# KiCad board control.kicad_pcb (continued)
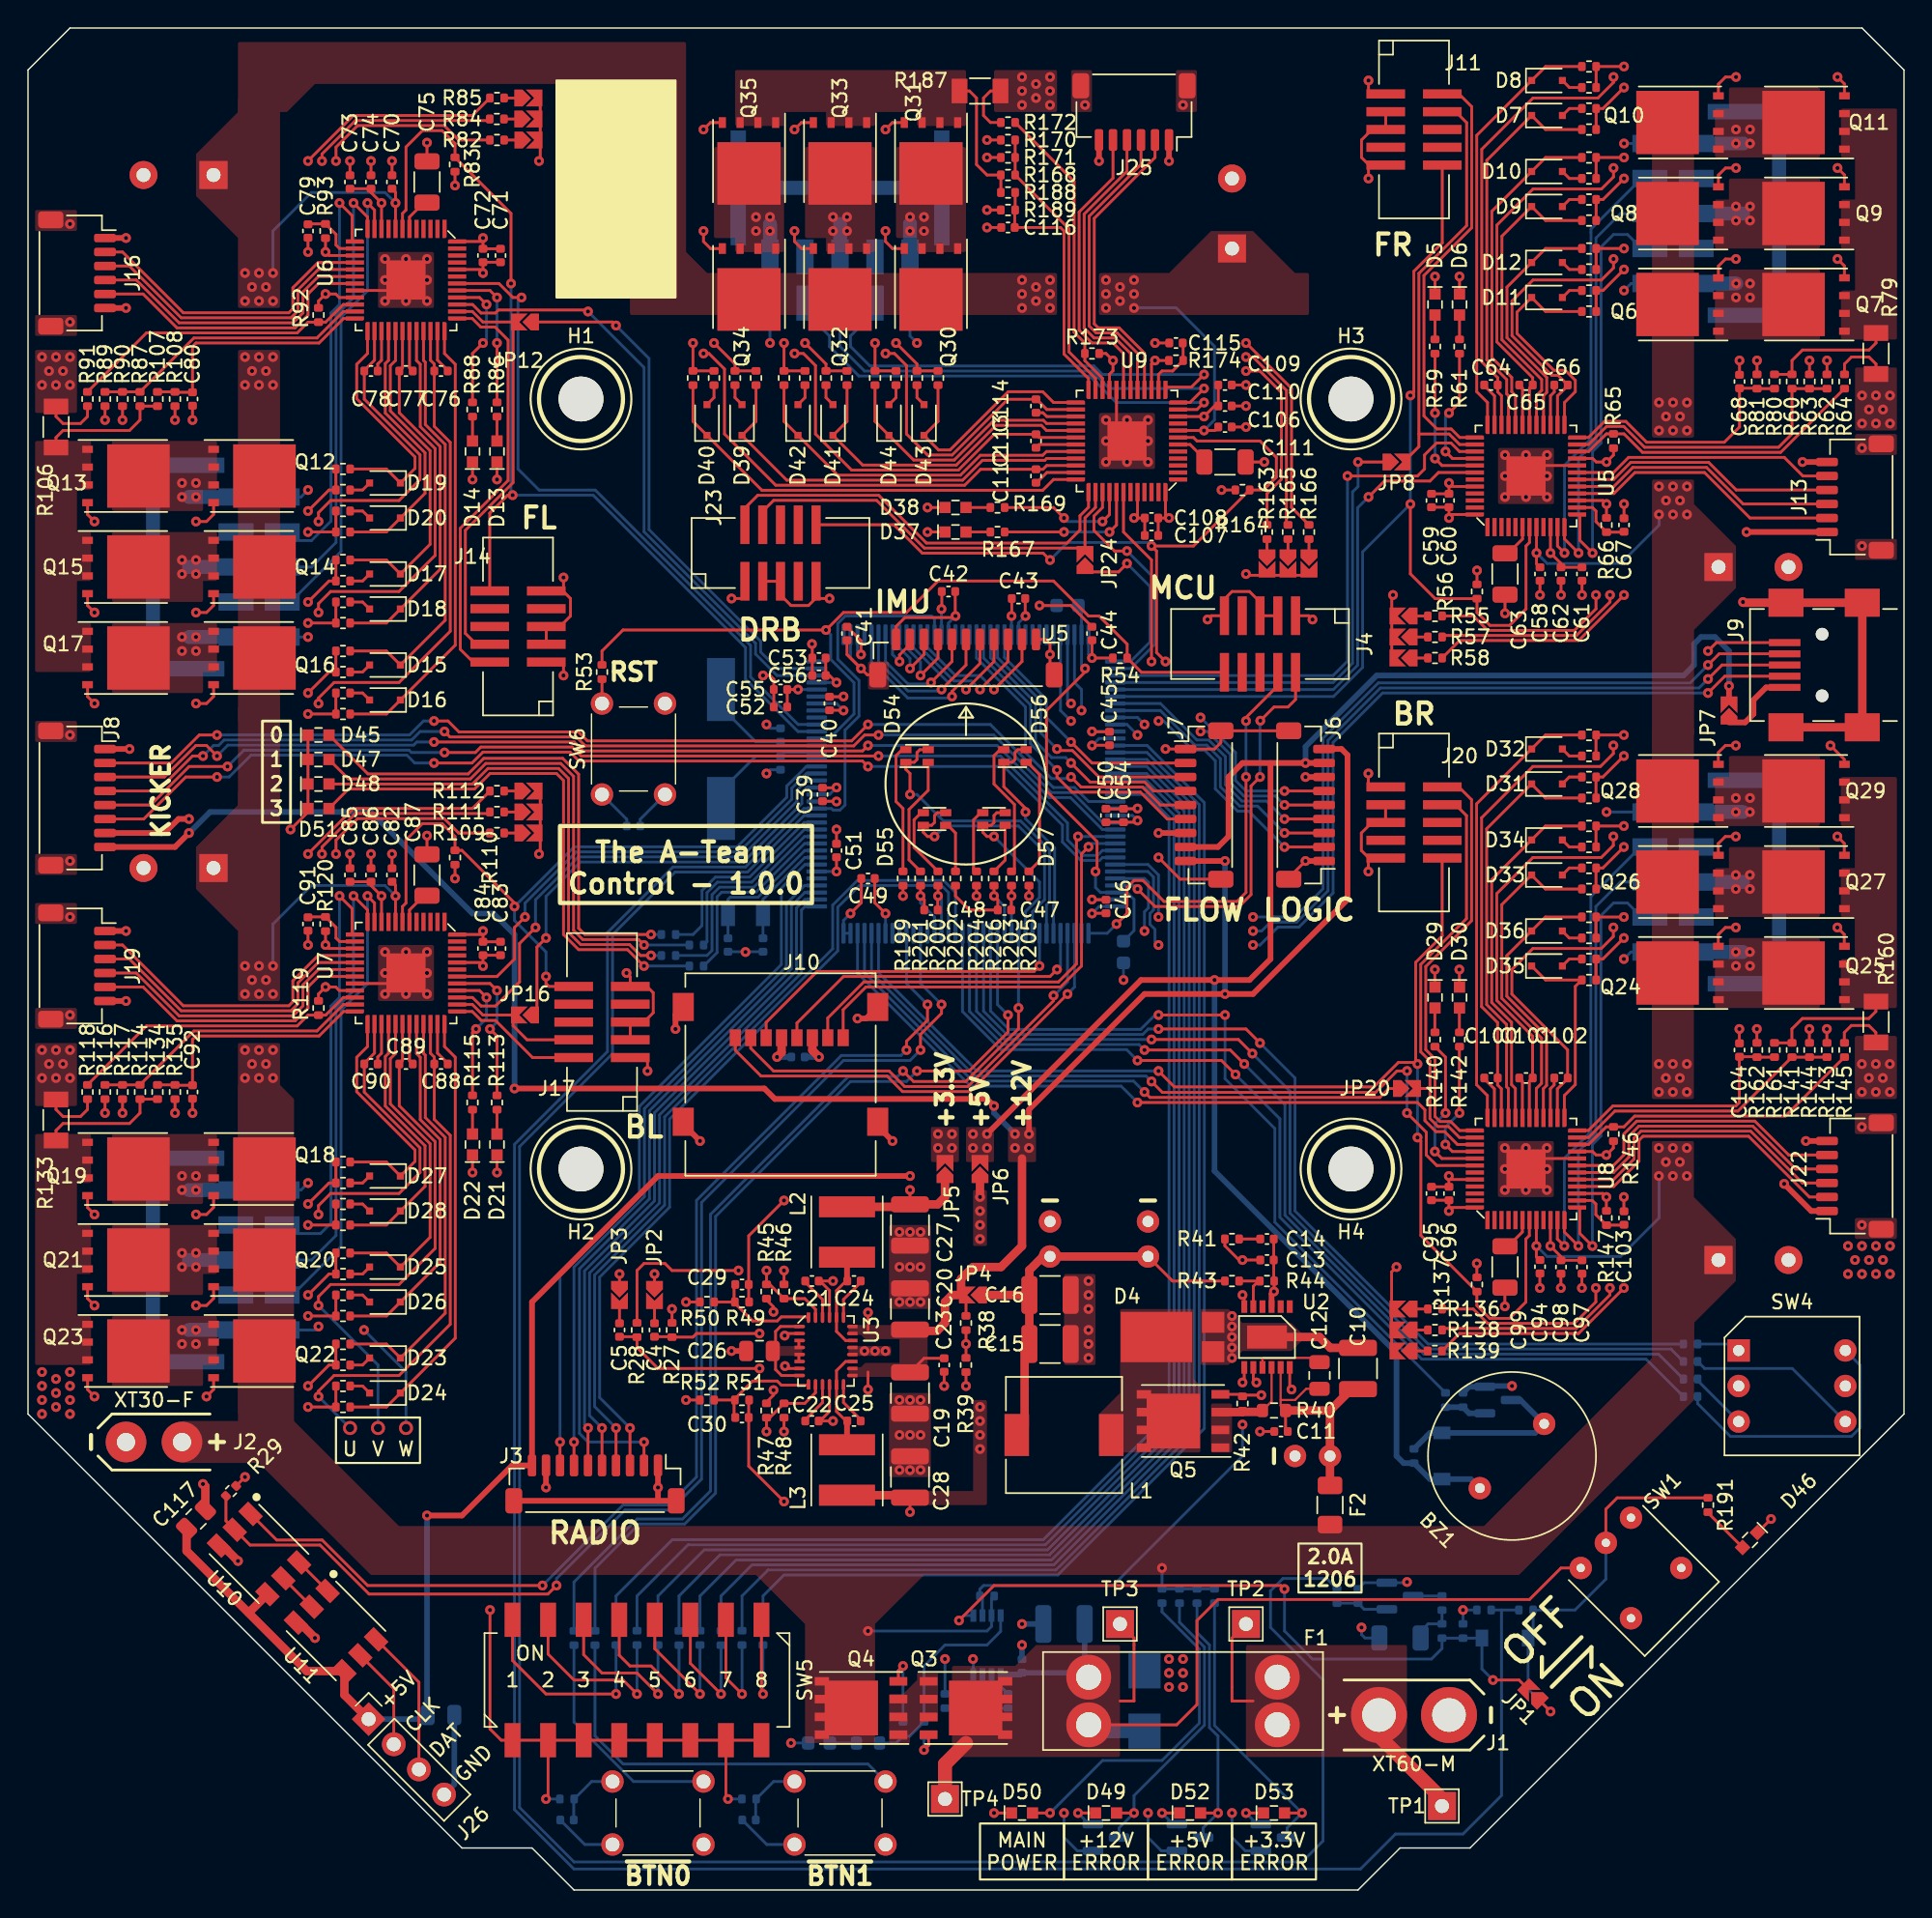
[diagram p0: board, top side]
## Placement (name value [footprint] x y rotation side) (continued)
R66  22  [R_0402_1005Metric]  112.75 97.5 270 top
R67  10  [R_0402_1005Metric]  111.5 127.25 0 top
R68  62  [R_0402_1005Metric]  111.5 125.75 0 top
R69  62  [R_0402_1005Metric]  111.5 130.25 0 top
R70  10  [R_0402_1005Metric]  111.5 128.75 0 top
R71  10  [R_0402_1005Metric]  111.5 120.75 0 top
R72  62  [R_0402_1005Metric]  111.5 119.25 0 top
R73  62  [R_0402_1005Metric]  111.5 123.75 0 top
R74  10  [R_0402_1005Metric]  111.5 122.25 0 top
R75  10  [R_0402_1005Metric]  111.5 114.25 0 top
R76  62  [R_0402_1005Metric]  111.5 112.75 0 top
R77  62  [R_0402_1005Metric]  111.5 117.25 0 top
R78  10  [R_0402_1005Metric]  111.5 115.75 0 top
R79  D1WEL1206MR062F-T5  [R_1206_3216Metric_CS]  132 109.75 270 top
R80  2.37k  [R_0402_1005Metric]  124.75 107.75 270 top
R81  143k  [R_0402_1005Metric]  123.5 107.75 270 top
R82  10k  [R_0402_1005Metric]  33.5 125 180 top
R83  10k  [R_0402_1005Metric]  30.5 123.25 90 top
R84  10k  [R_0402_1005Metric]  33.49 126.5 180 top
R85  10k  [R_0402_1005Metric]  33.5 128 180 top
R86  10k  [R_0402_1005Metric]  33.5 105.75 270 top
R87  2.37k  [R_0402_1005Metric]  8 106.5 90 top
R88  10k  [R_0402_1005Metric]  31.75 105.75 270 top
R89  649k  [R_0402_1005Metric]  5.5 106.5 90 top
R90  53.6k  [R_0402_1005Metric]  6.75 106.5 270 top
R91  10k  [R_0402_1005Metric]  4.25 106.5 90 top
R92  26.7k  [R_0402_1005Metric]  20.75 112.5 90 top
R93  22  [R_0402_1005Metric]  21.25 118.5 90 top
R94  10  [R_0402_1005Metric]  22.5 87 180 top
R95  62  [R_0402_1005Metric]  22.5 88.5 180 top
R96  62  [R_0402_1005Metric]  22.5 84 180 top
R97  10  [R_0402_1005Metric]  22.5 85.5 180 top
R98  10  [R_0402_1005Metric]  22.5 93.5 180 top
R99  62  [R_0402_1005Metric]  22.5 95 180 top
R100  62  [R_0402_1005Metric]  22.5 90.5 180 top
R101  10  [R_0402_1005Metric]  22.5 92 180 top
R102  10  [R_0402_1005Metric]  22.5 100 180 top
R103  62  [R_0402_1005Metric]  22.5 101.5 180 top
R104  62  [R_0402_1005Metric]  22.5 97 180 top
R105  10  [R_0402_1005Metric]  22.5 98.5 180 top
R106  D1WEL1206MR062F-T5  [R_1206_3216Metric_CS]  2 104.5 90 top
R107  2.37k  [R_0402_1005Metric]  9.25 106.5 90 top
R108  143k  [R_0402_1005Metric]  10.5 106.5 90 top
R109  10k  [R_0402_1005Metric]  33.5 75.5 180 top
R110  10k  [R_0402_1005Metric]  30.5 73.75 90 top
R111  10k  [R_0402_1005Metric]  33.5 77 180 top
R112  10k  [R_0402_1005Metric]  33.5 78.5 180 top
R113  10k  [R_0402_1005Metric]  33.5 56.25 270 top
R114  2.37k  [R_0402_1005Metric]  8 57 90 top
R115  10k  [R_0402_1005Metric]  31.75 56.25 270 top
R116  649k  [R_0402_1005Metric]  5.5 57 90 top
R117  53.6k  [R_0402_1005Metric]  6.75 57 270 top
R118  10k  [R_0402_1005Metric]  4.25 57 90 top
R119  26.7k  [R_0402_1005Metric]  20.75 63 90 top
R120  22  [R_0402_1005Metric]  21.25 69 90 top
R121  10  [R_0402_1005Metric]  22.5 37.5 180 top
R122  62  [R_0402_1005Metric]  22.5 39 180 top
R123  62  [R_0402_1005Metric]  22.5 34.5 180 top
R124  10  [R_0402_1005Metric]  22.5 36 180 top
R125  10  [R_0402_1005Metric]  22.5 44 180 top
R126  62  [R_0402_1005Metric]  22.5 45.5 180 top
R127  62  [R_0402_1005Metric]  22.5 41 180 top
R128  10  [R_0402_1005Metric]  22.5 42.5 180 top
R129  10  [R_0402_1005Metric]  22.5 50.5 180 top
R130  62  [R_0402_1005Metric]  22.5 52 180 top
R131  62  [R_0402_1005Metric]  22.5 47.5 180 top
R132  10  [R_0402_1005Metric]  22.5 49 180 top
R133  D1WEL1206MR062F-T5  [R_1206_3216Metric_CS]  2 55 90 top
R134  2.37k  [R_0402_1005Metric]  9.25 57 90 top
R135  143k  [R_0402_1005Metric]  10.5 57 90 top
R136  10k  [R_0402_1005Metric]  100.5 41.5 0 top
R137  10k  [R_0402_1005Metric]  103.5 43.25 270 top
R138  10k  [R_0402_1005Metric]  100.5 40 0 top
R139  10k  [R_0402_1005Metric]  100.49 38.5 0 top
R140  10k  [R_0402_1005Metric]  100.5 60.75 90 top
R141  2.37k  [R_0402_1005Metric]  126 60 270 top
R142  10k  [R_0402_1005Metric]  102.25 60.75 90 top
R143  649k  [R_0402_1005Metric]  128.5 60 270 top
R144  53.6k  [R_0402_1005Metric]  127.25 60 90 top
R145  10k  [R_0402_1005Metric]  129.75 60 270 top
R146  26.7k  [R_0402_1005Metric]  113.25 54 270 top
R147  22  [R_0402_1005Metric]  112.75 48 270 top
R148  10  [R_0402_1005Metric]  111.5 79.5 0 top
R149  62  [R_0402_1005Metric]  111.5 78 0 top
R150  62  [R_0402_1005Metric]  111.5 82.5 0 top
R151  10  [R_0402_1005Metric]  111.5 81 0 top
R152  10  [R_0402_1005Metric]  111.5 73 0 top
R153  62  [R_0402_1005Metric]  111.5 71.5 0 top
R154  62  [R_0402_1005Metric]  111.5 76 0 top
R155  10  [R_0402_1005Metric]  111.5 74.5 0 top
R156  10  [R_0402_1005Metric]  111.5 66.5 0 top
R157  62  [R_0402_1005Metric]  111.5 65 0 top
R158  62  [R_0402_1005Metric]  111.5 69.5 0 top
R159  10  [R_0402_1005Metric]  111.5 68 0 top
R160  D1WEL1206MR062F-T5  [R_1206_3216Metric_CS]  132 62 270 top
R161  2.37k  [R_0402_1005Metric]  124.75 60 270 top
R162  143k  [R_0402_1005Metric]  123.5 60 270 top
R163  10k  [R_0402_1005Metric]  88.5 97 90 top
R164  10k  [R_0402_1005Metric]  86.75 100 0 top
R165  10k  [R_0402_1005Metric]  90 97 90 top
R166  10k  [R_0402_1005Metric]  91.5 97 90 top
R167  10k  [R_0402_1005Metric]  69.25 97 180 top
R168  2.37k  [R_0402_1005Metric]  70 122.5 0 top
R169  10k  [R_0402_1005Metric]  69.25 98.75 180 top
R170  649k  [R_0402_1005Metric]  70 125 0 top
R171  53.6k  [R_0402_1005Metric]  70 123.75 180 top
R172  10k  [R_0402_1005Metric]  70 126.25 0 top
R173  26.7k  [R_0402_1005Metric]  76 109.75 0 top
R174  22  [R_0402_1005Metric]  82 109.25 0 top
R175  10  [R_0402_1005Metric]  50.5 108 90 top
R176  62  [R_0402_1005Metric]  52 108 90 top
R177  62  [R_0402_1005Metric]  47.5 108 90 top
R178  10  [R_0402_1005Metric]  49 108 90 top
R179  10  [R_0402_1005Metric]  57 108 90 top
R180  62  [R_0402_1005Metric]  58.5 108 90 top
R181  62  [R_0402_1005Metric]  54 108 90 top
R182  10  [R_0402_1005Metric]  55.5 108 90 top
R183  10  [R_0402_1005Metric]  63.5 108 90 top
R184  62  [R_0402_1005Metric]  65 108 90 top
R185  62  [R_0402_1005Metric]  60.5 108 90 top
R186  10  [R_0402_1005Metric]  62 108 90 top
R187  D1WEL1206MR062F-T5  [R_1206_3216Metric_CS]  68 128.5 0 top
R188  2.37k  [R_0402_1005Metric]  70 121.25 0 top
R189  143k  [R_0402_1005Metric]  70 120 0 top
R190  10k  [R_0402_1005Metric]  45.75 68.25 180 bottom
R191  22k  [R_0402_1005Metric]  120 27.5 270 top
R192  10k  [R_0402_1005Metric]  82.25 21 270 bottom
R193  10k  [R_0402_1005Metric]  47.75 67.5 180 bottom
R194  10k  [R_0402_1005Metric]  45.75 66.75 180 bottom
R195  22k  [R_0402_1005Metric]  81 21 270 bottom
R196  10k  [R_0402_1005Metric]  47.75 66 180 bottom
R197  10k  [R_0402_1005Metric]  83.5 21 270 bottom
R198  10k  [R_0402_1005Metric]  84.75 21 270 bottom
R199  10k  [R_0402_1005Metric]  62.5 72.25 90 top
R200  10k  [R_0402_1005Metric]  65 72.25 90 top
R201  10k  [R_0402_1005Metric]  63.75 72.25 270 top
R202  10k  [R_0402_1005Metric]  66.25 72.25 270 top
R203  10k  [R_0402_1005Metric]  70.25 72.25 90 top
R204  10k  [R_0402_1005Metric]  67.75 72.25 90 top
R205  10k  [R_0402_1005Metric]  71.5 72.25 270 top
R206  10k  [R_0402_1005Metric]  69 72.25 270 top
SW1  -  [CF-LD-1DC4-AR2W]  114.5 23 225 top
SW2  -  [TS02-66-73-BK-160-SCR-D]  45 5.5 0 top
SW3  -  [TS02-66-73-BK-160-SCR-D]  58 5.5 0 top
SW4  -  [221ADC16]  126 36 0 top
SW5  -  [219-8MST]  43.5 15 90 top
SW6  -  [TS02-66-73-BK-160-SCR-D]  43.25 81.5 90 top
TP1  Inject_{+}  [TestPoint_THTPad_2.0x2.0mm_Drill1.0mm]  101 6 0 top
TP2  Sense_{+}  [TestPoint_THTPad_2.0x2.0mm_Drill1.0mm]  87 19 0 top
TP3  Sense_{-}  [TestPoint_THTPad_2.0x2.0mm_Drill1.0mm]  78 19 0 top
TP4  Inject_{-}  [TestPoint_THTPad_2.0x2.0mm_Drill1.0mm]  65.5 6.5 0 top
U1  LTC4367  [MS8]  68.5 17.5 180 bottom
U2  LTC3864  [MSE]  88.5 39.5 180 top
U3  LTC3636  [UFD_AA_NoExtraPad]  57 38.5 90 top
U4  STM32H723ZGT6  [LQFP-144_20x20mm_P0.5mm]  67 79 0 bottom
U5  STSPIN32F0B  [QFN-48-1EP_7x7mm_P0.5mm_EP2.8x2.8mm_Extended]  107 101 90 top
U6  STSPIN32F0B  [QFN-48-1EP_7x7mm_P0.5mm_EP2.8x2.8mm_Extended]  27 115 270 top
U7  STSPIN32F0B  [QFN-48-1EP_7x7mm_P0.5mm_EP2.8x2.8mm_Extended]  27 65.5 270 top
U8  STSPIN32F0B  [QFN-48-1EP_7x7mm_P0.5mm_EP2.8x2.8mm_Extended]  107 51.5 90 top
U9  STSPIN32F0B  [QFN-48-1EP_7x7mm_P0.5mm_EP2.8x2.8mm_Extended]  78.5 103.5 180 top
U10  -  [SK9822]  16.5 24 135 top
U11  -  [SK9822]  22 18.5 135 top
Y1  QT49S-8.000MEEJ-T  [Crystal_SMD_HC49-SD]  49.5 81.5 270 bottom
Y2  QT3CD-32.768KEZC-T  [Crystal_SMD_3215-2Pin_3.2x1.5mm]  51.25 69.75 0 bottom

## Library data of the parts
D2 = -: V_{BR}: V_{BR}=30.4V
D5 D13 D21 D29 D37 = -: Value2: FW_READY
D6 D14 D22 D30 D38 = -: Value2: ERROR
D54-D57 = -: Value2: B2612USNG20D000212U1930
J12 J15 J18 J21 J24 = -: Value2: Motor
L1 = -: Value2: 22uH
L2 L3 = -: Value2: 4.7uH
R79 R106 R133 R160 R187 = -: Value2: 62m 1% 1W
Y1 = -: Value2: 8MHz
Y2 = -: Value2: 32.768kHz

## Footprints (pads in the part's own frame, mm; a bottom-side part is the same pattern mirrored in y, then rotated)
219-8MST
  rect 2.44x1.13 smd: 1(-4.3,8.89) 2(-4.3,6.35) 3(-4.3,3.81) 4(-4.3,1.27) 5(-4.3,-1.27) 6(-4.3,-3.81) 7(-4.3,-6.35) 8(-4.3,-8.89) 9(4.3,-8.89) 10(4.3,-6.35) 11(4.3,-3.81) 12(4.3,-1.27) 13(4.3,1.27) 14(4.3,3.81) 15(4.3,6.35) 16(4.3,8.89)
221ADC16
  rect 1.6x1.6 hole 0.8: 1(-3.81,2.54)
  round 1.6 hole 0.8: 3(-3.81,-2.54) 4(3.81,-2.54) 6(3.81,2.54) C(-3.81,0) C(3.81,0)
3221-10-0300-00
  rect 2.76x0.65 smd: 1(-2.02,2.54) 2(2.02,2.54) 3(-2.02,1.27) 4(2.02,1.27) 5(-2.02,0) 6(2.02,0) 7(-2.02,-1.27) 8(2.02,-1.27) 9(-2.02,-2.54) 10(2.02,-2.54)
3557-2
  round 3.2 hole 1.8: 1(-6.735,1.7) 1(-6.735,-1.7) 2(6.735,1.7) 2(6.735,-1.7)
10033527-N3112MLF
  round 0.9 hole 0.9 unplated: (-2.2,5.85) (2.2,5.85)
  rect 0.5x2.25 smd: 1(-1.6,8.525) 2(-0.8,8.525) 3(0,8.525) 4(0.8,8.525) 5(1.6,8.525)
  rect 2x2.5 smd: 6(-4.45,8.43) 6(-4.45,2.98) 6(4.45,8.43) 6(4.45,2.98)
1054052110
  rect 1.24x2.5 smd: 1(5,1.65) 2(2.5,1.65) 3(0,1.65) 4(-2.5,1.65) 5(-5,1.65) 6(5,-1.65) 7(2.5,-1.65) 8(0,-1.65) 9(-2.5,-1.65) 10(-5,-1.65)
  rect 1.1x8.2 smd: MP(-7.27,-6.58) MP(7.27,-6.58)
AT-1224-TWT-5V-2-R
  round 1.6 hole 0.7: 1(0,3.25) 2(0,-3.25)
C_0402_1005Metric
  rrect 0.56x0.62 smd: 1(-0.48,0) 2(0.48,0)
C_0603_1608Metric
  rrect 0.9x0.95 smd: 1(-0.775,0) 2(0.775,0)
C_0805_2012Metric
  rrect 1x1.45 smd: 1(-0.95,0) 2(0.95,0)
C_1206_3216Metric
  rrect 1.15x1.8 smd: 1(-1.475,0) 2(1.475,0)
C_1210_3225Metric
  rrect 1.15x2.7 smd: 1(-1.475,0) 2(1.475,0)
C_Radial_D6.3mm_H11.0mm_P2.50mm
  round 1.6 hole 0.8: 1(0,0) 2(2.5,0)
CF-LD-1DC4-AR2W
  round 1.6 hole 0.6: 1(2.54,2.54) 3(-2.54,2.54) 4(2.54,-2.54) 5(0,-2.54) 6(-2.54,-2.54)
CP_Radial_D10.0mm_P5.00mm
  rect 2x2 hole 1: 1(0,0)
  round 2 hole 1: 2(5,0)
Crystal_SMD_3215-2Pin_3.2x1.5mm
  rect 1x1.8 smd: 1(1.25,0) 2(-1.25,0)
Crystal_SMD_HC49-SD
  rect 4.5x2 smd: 1(-4.25,0) 2(4.25,0)
D_SMB_Non-Polar
  rect 2.5x2.3 smd: 1(-2.15,0) 2(2.15,0)
D_SOD-123
  rect 0.9x1.2 smd: 1(-1.65,0) 2(1.65,0)
D_SOD-323F
  rect 0.5x0.5 smd: 1(-1.1,0) 2(1.1,0)
DEM8045C
  rect 1.75x3 smd: 1(-3.375,0) 2(3.375,0)
DFN5060
  rect 0.76x0.51 smd: 1(-2.745,1.905) 2(-2.745,0.635) 3(-2.745,-0.635) 4(-2.745,-1.905)
  rect 4.47x4.52 smd: 5(0.89,0)
Fuse_1206_3216Metric
  rrect 1.25x1.75 smd: 1(-1.4,0) 2(1.4,0)
JST_SH_BM09B-SRSS-TB_1x09-1MP_P1.00mm_Vertical
  rrect 0.6x1.55 smd: 1(-4,-1.325) 2(-3,-1.325) 3(-2,-1.325) 4(-1,-1.325) 5(0,-1.325) 6(1,-1.325) 7(2,-1.325) 8(3,-1.325) 9(4,-1.325)
  rrect 1.2x1.8 smd: MP(-5.3,1.2) MP(5.3,1.2)
JST_SH_BM10B-SRSS-TB_1x10-1MP_P1.00mm_Vertical
  rrect 0.6x1.55 smd: 1(-4.5,-1.325) 2(-3.5,-1.325) 3(-2.5,-1.325) 4(-1.5,-1.325) 5(-0.5,-1.325) 6(0.5,-1.325) 7(1.5,-1.325) 8(2.5,-1.325) 9(3.5,-1.325) 10(4.5,-1.325)
  rrect 1.2x1.8 smd: MP(-5.8,1.2) MP(5.8,1.2)
JST_SH_BM11B-SRSS-TB_1x11-1MP_P1.00mm_Vertical
  rrect 0.6x1.55 smd: 1(-5,-1.325) 2(-4,-1.325) 3(-3,-1.325) 4(-2,-1.325) 5(-1,-1.325) 6(0,-1.325) 7(1,-1.325) 8(2,-1.325) 9(3,-1.325) 10(4,-1.325) 11(5,-1.325)
  rrect 1.2x1.8 smd: MP(-6.3,1.2) MP(6.3,1.2)
JST_SH_SM06B-SRSS-TB_1x06-1MP_P1.00mm_Horizontal
  rrect 0.6x1.55 smd: 1(-2.5,2) 2(-1.5,2) 3(-0.5,2) 4(0.5,2) 5(1.5,2) 6(2.5,2)
  rrect 1.2x1.8 smd: MP(-3.8,-1.875) MP(3.8,-1.875)
JST_SH_SM08B-SRSS-TB_1x08-1MP_P1.00mm_Horizontal
  rrect 0.6x1.55 smd: 1(-3.5,2) 2(-2.5,2) 3(-1.5,2) 4(-0.5,2) 5(0.5,2) 6(1.5,2) 7(2.5,2) 8(3.5,2)
  rrect 1.2x1.8 smd: MP(-4.8,-1.875) MP(4.8,-1.875)
LED0603
  rect 0.8x0.8 smd: 1(-0.75,0) 2(0.75,0)
LED0606_CCW
  rect 0.5x0.8 smd: 1(-0.45,0.8) 2(-0.45,-0.8) 3(0.45,-0.8) 4(0.45,0.8)
LQFP-144_20x20mm_P0.5mm
  rrect 1.475x0.3 smd: 1(-10.662,8.75) 2(-10.662,8.25) 3(-10.662,7.75) 4(-10.662,7.25) 5(-10.662,6.75) 6(-10.662,6.25) 7(-10.662,5.75) 8(-10.662,5.25) 9(-10.662,4.75) 10(-10.662,4.25) 11(-10.662,3.75) 12(-10.662,3.25) 13(-10.662,2.75) 14(-10.662,2.25) 15(-10.662,1.75) 16(-10.662,1.25) 17(-10.662,0.75) 18(-10.662,0.25) 19(-10.662,-0.25) 20(-10.662,-0.75) 21(-10.662,-1.25) 22(-10.662,-1.75) 23(-10.662,-2.25) 24(-10.662,-2.75) 25(-10.662,-3.25) 26(-10.662,-3.75) 27(-10.662,-4.25) 28(-10.662,-4.75) 29(-10.662,-5.25) 30(-10.662,-5.75) 31(-10.662,-6.25) 32(-10.662,-6.75) 33(-10.662,-7.25) 34(-10.662,-7.75) 35(-10.662,-8.25) 36(-10.662,-8.75) 73(10.662,-8.75) 74(10.662,-8.25) 75(10.662,-7.75) 76(10.662,-7.25) 77(10.662,-6.75) 78(10.662,-6.25) 79(10.662,-5.75) 80(10.662,-5.25) 81(10.662,-4.75) 82(10.662,-4.25) 83(10.662,-3.75) 84(10.662,-3.25) 85(10.662,-2.75) 86(10.662,-2.25) 87(10.662,-1.75) 88(10.662,-1.25) 89(10.662,-0.75) 90(10.662,-0.25) 91(10.662,0.25) 92(10.662,0.75) 93(10.662,1.25) 94(10.662,1.75) 95(10.662,2.25) 96(10.662,2.75) 97(10.662,3.25) 98(10.662,3.75) 99(10.662,4.25) 100(10.662,4.75) 101(10.662,5.25) 102(10.662,5.75) 103(10.662,6.25) 104(10.662,6.75) 105(10.662,7.25) 106(10.662,7.75) 107(10.662,8.25) 108(10.662,8.75)
  rrect 0.3x1.475 smd: 37(-8.75,-10.662) 38(-8.25,-10.662) 39(-7.75,-10.662) 40(-7.25,-10.662) 41(-6.75,-10.662) 42(-6.25,-10.662) 43(-5.75,-10.662) 44(-5.25,-10.662) 45(-4.75,-10.662) 46(-4.25,-10.662) 47(-3.75,-10.662) 48(-3.25,-10.662) 49(-2.75,-10.662) 50(-2.25,-10.662) 51(-1.75,-10.662) 52(-1.25,-10.662) 53(-0.75,-10.662) 54(-0.25,-10.662) 55(0.25,-10.662) 56(0.75,-10.662) 57(1.25,-10.662) 58(1.75,-10.662) 59(2.25,-10.662) 60(2.75,-10.662) 61(3.25,-10.662) 62(3.75,-10.662) 63(4.25,-10.662) 64(4.75,-10.662) 65(5.25,-10.662) 66(5.75,-10.662) 67(6.25,-10.662) 68(6.75,-10.662) 69(7.25,-10.662) 70(7.75,-10.662) 71(8.25,-10.662) 72(8.75,-10.662) 109(8.75,10.662) 110(8.25,10.662) 111(7.75,10.662) 112(7.25,10.662) 113(6.75,10.662) 114(6.25,10.662) 115(5.75,10.662) 116(5.25,10.662) 117(4.75,10.662) 118(4.25,10.662) 119(3.75,10.662) 120(3.25,10.662) 121(2.75,10.662) 122(2.25,10.662) 123(1.75,10.662) 124(1.25,10.662) 125(0.75,10.662) 126(0.25,10.662) 127(-0.25,10.662) 128(-0.75,10.662) 129(-1.25,10.662) 130(-1.75,10.662) 131(-2.25,10.662) 132(-2.75,10.662) 133(-3.25,10.662) 134(-3.75,10.662) 135(-4.25,10.662) 136(-4.75,10.662) 137(-5.25,10.662) 138(-5.75,10.662) 139(-6.25,10.662) 140(-6.75,10.662) 141(-7.25,10.662) 142(-7.75,10.662) 143(-8.25,10.662) 144(-8.75,10.662)
MEM2067-02-180-00-A
  rect 0.8x1.2 smd: 1(3.225,-2.625) 2(2.125,-2.625) 3(1.025,-2.625) 4(-0.075,-2.625) 5(-1.175,-2.625) 6(-2.275,-2.625) 7(-3.375,-2.625) 8(-4.475,-2.625)
  rect 1.5x2 smd: 9(-6.945,3.375) 9(-6.945,-4.825) 9(6.945,3.375) 9(6.945,-4.825)
MountingHole_3.2mm_M3
  round 3.2 hole 3.2 unplated: (0,0)
MS8
  rect 0.42x0.889 smd: 1(-0.975,-2.106) 2(-0.325,-2.106) 3(0.325,-2.106) 4(0.975,-2.106) 5(0.975,2.106) 6(0.325,2.106) 7(-0.325,2.106) 8(-0.975,2.106)
MSE
  rect 0.42x0.889 smd: 1(-1.625,-2.171) 2(-0.975,-2.171) 3(-0.325,-2.171) 4(0.325,-2.171) 5(0.975,-2.171) 6(1.625,-2.171) 7(1.625,2.171) 8(0.975,2.171) 9(0.325,2.171) 10(-0.325,2.171) 11(-0.975,2.171) 12(-1.625,2.171)
  rect 2.845x1.651 smd: 13(0,0)
NRx-5040
  rect 1.5x4 smd: 1(-1.8,0) 2(1.8,0)
PinSocket_1x04_P2.54mm_Vertical
  rect 1.7x1.7 hole 1: 1(0,0)
  oval 1.7x1.7 hole 1: 2(0,-2.54) 3(0,-5.08) 4(0,-7.62)
PowerPAK_SO-8L_Single
  rect 1.27x0.61 smd: 1(-2.67,1.905) 2(-2.67,0.635) 3(-2.67,-0.635) 4(-2.67,-1.905)
  rect 3.81x3.91 smd: 5(0.69,0)
  rect 1.02x0.61 smd: 5(2.795,1.905) 5(2.795,0.635) 5(2.795,-0.635) 5(2.795,-1.905)
QFN-48-1EP_7x7mm_P0.5mm_EP2.8x2.8mm_Extended
  rrect 1.3x0.3 smd: 1(-3.65,2.75) 12(-3.65,-2.75) 25(3.65,-2.75) 36(3.65,2.75)
  rect 1.3x0.3 smd: 2(-3.65,2.25) 3(-3.65,1.75) 4(-3.65,1.25) 5(-3.65,0.75) 6(-3.65,0.25) 7(-3.65,-0.25) 8(-3.65,-0.75) 9(-3.65,-1.25) 10(-3.65,-1.75) 11(-3.65,-2.25) 26(3.65,-2.25) 27(3.65,-1.75) 28(3.65,-1.25) 29(3.65,-0.75) 30(3.65,-0.25) 31(3.65,0.25) 32(3.65,0.75) 33(3.65,1.25) 34(3.65,1.75) 35(3.65,2.25)
  rrect 0.3x1.3 smd: 13(-2.75,-3.65) 24(2.75,-3.65) 37(2.75,3.65) 48(-2.75,3.65)
  rect 0.3x1.3 smd: 14(-2.25,-3.65) 15(-1.75,-3.65) 16(-1.25,-3.65) 17(-0.75,-3.65) 18(-0.25,-3.65) 19(0.25,-3.65) 20(0.75,-3.65) 21(1.25,-3.65) 22(1.75,-3.65) 23(2.25,-3.65) 38(2.25,3.65) 39(1.75,3.65) 40(1.25,3.65) 41(0.75,3.65) 42(0.25,3.65) 43(-0.25,3.65) 44(-0.75,3.65) 45(-1.25,3.65) 46(-1.75,3.65) 47(-2.25,3.65)
  rect 2.8x2.8 smd: 49(0,0)
R_0402_1005Metric
  rrect 0.54x0.64 smd: 1(-0.51,0) 2(0.51,0)
R_0603_1608Metric
  rrect 0.8x0.95 smd: 1(-0.825,0) 2(0.825,0)
R_1206_3216Metric_CS
  rect 1.125x1.75 smd: 1(-1.462,0) 2(1.462,0)
SK9822
  rect 1.5x1 smd: 1(2.45,-1.6) 2(2.45,0) 3(2.45,1.6) 4(-2.45,1.6) 5(-2.45,0) 6(-2.45,-1.6)
SolderJumper-2_2.0x1.2mm_Closed
  custom 1.187x1.2 smd: 1(-0.85,0) 2(0.85,0)
SolderJumper-2_2.0x1.2mm_Open
  custom 1.187x1.2 smd: 1(-0.85,0) 2(0.85,0)
SOT-23
  rrect 1.475x0.6 smd: 1(-0.938,0.95) 2(-0.938,-0.95) 3(0.938,0)
TestPoint_THTPad_2.0x2.0mm_Drill1.0mm
  rect 2x2 hole 1: 1(0,0)
TO-277
  rect 1.6x1.5 smd: 1(2.9,1.05) 2(2.9,-1.05)
  rect 5.1x3.6 smd: 3(-1.15,0)
TS02-66-73-BK-160-SCR-D
  round 1.6 hole 1: 1(-3.25,2.25) 2(3.25,2.25) 3(-3.25,-2.25) 4(3.25,-2.25)
UFD_AA_NoExtraPad
  custom 0.25x0.75 smd: 1(1.75,1.938) 2(1.25,1.938) 3(0.75,1.938) 4(0.25,1.938) 5(-0.25,1.938) 6(-0.75,1.938) 7(-1.25,1.938) 8(-1.75,1.938) 15(-1.75,-1.938) 16(-1.25,-1.938) 17(-0.75,-1.938) 18(-0.25,-1.938) 19(0.25,-1.938) 20(0.75,-1.938) 21(1.25,-1.938) 22(1.75,-1.938)
  custom 0.75x0.25 smd: 9(-2.438,1.25) 10(-2.438,0.75) 11(-2.438,0.25) 12(-2.438,-0.25) 13(-2.438,-0.75) 14(-2.438,-1.25) 23(2.438,-1.25) 24(2.438,-0.75) 25(2.438,-0.25) 26(2.438,0.25) 27(2.438,0.75) 28(2.438,1.25)
XT30-F_TH_WireMount
  round 2.9 hole 1.3: 1(-2,0) 2(2,0)
XT60-M_TH_WireMount
  round 4 hole 2.4: 1(-2.5,0) 2(2.5,0)

## Nets
+3.3V: C38.1 C39.1 C40.1 C41.1 C42.1 C43.1 C44.1 C45.1 C46.1 C47.1 C48.1 C49.1 C50.1 C51.1 C52.1 C53.1 C54.1 C55.1 C56.1 C59.1 C60.1 C61.1 C62.1 C71.1 C72.1 C73.1 C74.1 C83.1 C84.1 C85.1 C86.1 C95.1 C96.1 C97.1 C98.1 C107.1 C108.1 C109.1 C110.1 J3.9 J4.1 J5.11 J6.7 J7.7 J8.7 J10.4 J11.1 J12.5 J13.1 J14.1 J15.5 J16.1 J17.1 J18.5 J19.1 J20.1 J21.5 J22.1 J23.1 J24.5 J25.1 JP5.2 JP9.2 JP10.2 JP11.2 JP13.2 JP14.2 JP15.2 JP17.2 JP18.2 JP19.2 JP21.2 JP22.2 JP23.2 JP25.2 JP26.2 JP27.2 R1.2 R2.2 R54.2 R56.1 R62.1 R81.1 R83.1 R89.1 R108.1 R110.1 R116.1 R135.1 R137.1 R143.1 R162.1 R164.1 R170.1 R189.1 R201.2 R202.2 R205.2 R206.2 SW4.C SW5.1 SW5.2 SW5.3 SW5.4 SW5.5 SW5.6 SW5.7 SW5.8 U4.6 U4.17 U4.30 U4.32 U4.33 U4.39 U4.52 U4.62 U4.72 U4.84 U4.95 U4.108 U4.121 U4.131 U4.143 U4.144 U5.10 U5.48 U6.10 U6.48 U7.10 U7.48 U8.10 U8.48 U9.10 U9.48
+5V: BZ1.1 C117.2 C118.2 D3.1 J3.10 J6.8 J7.8 J26.1 JP6.2 JP7.2 R21.2 U10.4 U11.4
+12V: C19.1 C20.1 C23.1 J6.9 J7.9 J8.8 JP4.2 R38.2 R45.2 R47.2 U3.15 U3.16 U3.21 U3.22
GND: C1.2 C2.2 C3.2 C6.2 C7.2 C8.2 C9.2 C10.2 C11.2 C13.2 C14.2 C15.2 C16.2 C17.2 C18.2 C19.2 C20.2 C21.2 C22.2 C23.2 C26.2 C27.2 C28.2 C31.2 C32.2 C33.2 C34.2 C35.2 C36.2 C37.2 C38.2 C39.2 C40.2 C41.2 C42.2 C43.2 C44.2 C45.2 C46.2 C47.2 C48.2 C49.2 C50.2 C51.2 C52.2 C53.2 C54.2 C55.2 C56.2 C57.2 C58.2 C59.2 C60.2 C61.2 C62.2 C63.2 C67.2 C68.2 C69.2 C70.2 C71.2 C72.2 C73.2 C74.2 C75.2 C79.2 C80.2 C81.2 C82.2 C83.2 C84.2 C85.2 C86.2 C87.2 C91.2 C92.2 C93.2 C94.2 C95.2 C96.2 C97.2 C98.2 C99.2 C103.2 C104.2 C105.2 C106.2 C107.2 C108.2 C109.2 C110.2 C111.2 C115.2 C116.2 C117.1 C118.1 D2.1 D4.1 D4.2 D5.1 D6.1 D13.1 D14.1 D21.1 D22.1 D29.1 D30.1 D37.1 D38.1 D45.1 D46.1 D47.1 D48.1 D49.1 D50.1 D51.1 D52.1 D53.1 J1.1 J2.1 J3.1 J3.MP J4.3 J4.5 J4.9 J5.1 J5.MP J6.1 J6.MP J7.1 J7.MP J8.1 J8.MP J9.5 J9.6 J10.6 J10.9 J11.3 J11.5 J11.9 J12.1 J13.6 J13.MP J14.3 J14.5 J14.9 J15.1 J16.6 J16.MP J17.3 J17.5 J17.9 J18.1 J19.6 J19.MP J20.3 J20.5 J20.9 J21.1 J22.6 J22.MP J23.3 J23.5 J23.9 J24.1 J25.6 J25.MP J26.4 JP2.1 JP3.1 Q1.2 Q2.2 Q36.2 Q37.2 Q38.2 R4.1 R7.2 R24.1 R26.2 R29.1 R33.1 R39.1 R44.2 R46.1 R48.1 R50.2 R52.2 R63.2 R64.1 R79.2 R90.2 R91.1 R106.2 R117.2 R118.1 R133.2 R144.2 R145.1 R160.2 R171.2 R172.1 R187.2 R199.1 R200.1 R203.1 R204.1 SW1.1 SW1.3 SW1.6 SW2.3 SW3.3 SW6.3 U1.4 U2.3 U2.13 U3.12 U3.18 U3.19 U3.25 U4.16 U4.31 U4.38 U4.51 U4.61 U4.83 U4.94 U4.107 U4.120 U4.130 U4.138 U5.20 U5.44 U5.49 U6.20 U6.44 U6.49 U7.20 U7.44 U7.49 U8.20 U8.44 U8.49 U9.20 U9.44 U9.49 U10.3 U11.3
+V_{BATT(FUSED)}: C6.1 C7.1 D2.2 F1.2 Q3.5 R30.1 SW1.4 TP3.1 TP4.1 U1.1
+V_{BATT(PROTECTED)}: C57.1 C58.1 C69.1 C70.1 C81.1 C82.1 C93.1 C94.1 C105.1 C106.1 F2.1 J2.2 Q4.5 Q6.5 Q8.5 Q10.5 Q12.5 Q14.5 Q16.5 Q18.5 Q20.5 Q22.5 Q24.5 Q26.5 Q28.5 Q30.5 Q32.5 Q34.5 R36.1 R192.1 R195.1 R197.1 R198.1 U1.7 U5.8 U6.8 U7.8 U8.8 U9.8
+V_{BATT(RAW)}: F1.1 J1.2 TP1.1 TP2.1
/BUZZER: R22.1 U4.123
/CMD_PWR_SHDN: R25.1 U4.14
/DIP0: R20.1 U4.85
/DIP1: R19.1 U4.86
/DIP2: R18.1 U4.87
/DIP3: R17.1 U4.88
/DIP4: R16.1 U4.89
/DIP5: R15.1 U4.90
/DIP6: R14.1 U4.91
/DIP7: R13.1 U4.92
/DOTSTAR.CLK: R29.2 U4.133 U10.2
/DOTSTAR.DAT: U4.135 U10.1
/ID_{SW}.IDX0: R12.1 U4.124
/ID_{SW}.IDX1: R11.1 U4.125
/ID_{SW}.IDX2: R10.1 U4.126
/ID_{SW}.IDX3: R9.1 U4.127
/Indicators/DOTSTAR_{EXT}.CLK: J26.2 U11.5
/Indicators/DOTSTAR_{EXT}.DAT: J26.3 U11.6
/LED0: R190.1 U4.13
/LED1: R193.1 U4.12
/LED2: R194.1 U4.11
/LED3: R196.1 U4.10
/Load Switch/EN: D1.1 JP1.2 R7.1 R8.2 U1.5
/MCU/FLOW.BOOT0: J7.4 U4.58
/MCU/FLOW.RX: J7.5 U4.56
/MCU/FLOW.TX: J7.6 U4.57
/MCU/FLOW.~{DET}: J7.2 U4.60
/MCU/FLOW.~{RST}: J7.3 U4.59
/MCU/IMU.INT1: J5.4 U4.47
/MCU/IMU.INT2: J5.3 U4.48
/MCU/IMU.MISO: J5.6 U4.42
/MCU/IMU.MOSI: J5.7 U4.43
/MCU/IMU.SCK: J5.5 U4.41
/MCU/IMU.~{DET}: J5.2 U4.49
/MCU/IMU.~{SS}1: J5.10 U4.44
/MCU/IMU.~{SS}2: J5.9 U4.45
/MCU/IMU.~{SS}3: J5.8 U4.46
/MCU/KICKER.BOOT0/KICK: J8.5 U4.100
/MCU/KICKER.DET: J8.2 U4.93
/MCU/KICKER.RX/FAULT: J8.3 U4.97
/MCU/KICKER.TX/CHIP: J8.4 U4.96
/MCU/KICKER.~{RST}/CHG: J8.6 U4.101
/MCU/LOGIC.CK: J6.4 U4.79
/MCU/LOGIC.NSS: J6.3 U4.80
/MCU/LOGIC.RX: J6.5 U4.70
/MCU/LOGIC.TX: J6.6 U4.69
/MCU/LOGIC.~{DET}: J6.2 U4.68
/MCU/MOTOR_{BL}.BOOT0: U4.20 U7.42
/MCU/MOTOR_{BL}.RX: JP16.1 U4.18
/MCU/MOTOR_{BL}.TX: U4.19 U7.39
/MCU/MOTOR_{BL}.~{RST}: J17.10 R110.2 U4.21 U7.7
/MCU/MOTOR_{BR}.BOOT0: U4.140 U8.42
/MCU/MOTOR_{BR}.RX: JP20.1 U4.141
/MCU/MOTOR_{BR}.TX: U4.142 U8.39
/MCU/MOTOR_{BR}.~{RST}: J20.10 R137.2 U4.139 U8.7
/MCU/MOTOR_{DRB}.BOOT0: U4.82 U9.42
/MCU/MOTOR_{DRB}.RX: JP24.1 U4.73
/MCU/MOTOR_{DRB}.TX: U4.74 U9.39
/MCU/MOTOR_{DRB}.~{RST}: J23.10 R164.2 U4.81 U9.7
/MCU/MOTOR_{FL}.BOOT0: U4.27 U6.42
/MCU/MOTOR_{FL}.RX: JP12.1 U4.35
/MCU/MOTOR_{FL}.TX: U4.34 U6.39
/MCU/MOTOR_{FL}.~{RST}: J14.10 R83.2 U4.26 U6.7
/MCU/MOTOR_{FR}.BOOT0: U4.77 U5.42
/MCU/MOTOR_{FR}.RX: JP8.1 U4.76
/MCU/MOTOR_{FR}.TX: U4.75 U5.39
/MCU/MOTOR_{FR}.~{RST}: J11.10 R56.2 U4.78 U5.7
/MCU/MotorBL/ENCODER_{A}: J19.3 U7.17
/MCU/MotorBL/ENCODER_{B}: J19.4 U7.18
/MCU/MotorBL/ENCODER_{Z}: J19.5 U7.19
/MCU/MotorBL/ENCODER_{~{DET}}: J19.2 U7.16
/MCU/MotorBL/HALL_{1}: J18.4 R109.2 U7.11
/MCU/MotorBL/HALL_{2}: J18.3 R111.2 U7.12
/MCU/MotorBL/HALL_{3}: J18.2 R112.2 U7.13
/MCU/MotorBL/I_{SENSE(AMPLIFIED)}: R119.2 R120.1 U7.15 U7.21
/MCU/MotorBL/I_{SENSE(FILTERED)}: C91.1 R120.2 U7.14
/MCU/MotorBL/I_{SENSE(RAW)}: Q19.1 Q19.2 Q19.3 Q21.1 Q21.2 Q21.3 Q23.1 Q23.2 Q23.3 R114.1 R133.1 R134.1
/MCU/MotorBL/MOTOR_{U}: C88.2 J18.10 Q22.1 Q22.2 Q22.3 Q23.5 U7.34
/MCU/MotorBL/MOTOR_{V}: C89.2 J18.8 Q20.1 Q20.2 Q20.3 Q21.5 U7.30
/MCU/MotorBL/MOTOR_{W}: C90.2 J18.6 Q18.1 Q18.2 Q18.3 Q19.5 U7.26
/MCU/MotorBL/SWDCLK: J17.4 JP16.2 U7.38
/MCU/MotorBL/SWDIO: J17.2 U7.37
/MCU/MotorBR/ENCODER_{A}: J22.3 U8.17
/MCU/MotorBR/ENCODER_{B}: J22.4 U8.18
/MCU/MotorBR/ENCODER_{Z}: J22.5 U8.19
/MCU/MotorBR/ENCODER_{~{DET}}: J22.2 U8.16
/MCU/MotorBR/HALL_{1}: J21.4 R136.2 U8.11
/MCU/MotorBR/HALL_{2}: J21.3 R138.2 U8.12
/MCU/MotorBR/HALL_{3}: J21.2 R139.2 U8.13
/MCU/MotorBR/I_{SENSE(AMPLIFIED)}: R146.2 R147.1 U8.15 U8.21
/MCU/MotorBR/I_{SENSE(FILTERED)}: C103.1 R147.2 U8.14
/MCU/MotorBR/I_{SENSE(RAW)}: Q25.1 Q25.2 Q25.3 Q27.1 Q27.2 Q27.3 Q29.1 Q29.2 Q29.3 R141.1 R160.1 R161.1
/MCU/MotorBR/MOTOR_{U}: C100.2 J21.10 Q28.1 Q28.2 Q28.3 Q29.5 U8.34
/MCU/MotorBR/MOTOR_{V}: C101.2 J21.8 Q26.1 Q26.2 Q26.3 Q27.5 U8.30
/MCU/MotorBR/MOTOR_{W}: C102.2 J21.6 Q24.1 Q24.2 Q24.3 Q25.5 U8.26
/MCU/MotorBR/SWDCLK: J20.4 JP20.2 U8.38
/MCU/MotorBR/SWDIO: J20.2 U8.37
/MCU/MotorDRB/ENCODER_{A}: J25.3 U9.17
/MCU/MotorDRB/ENCODER_{B}: J25.4 U9.18
/MCU/MotorDRB/ENCODER_{Z}: J25.5 U9.19
/MCU/MotorDRB/ENCODER_{~{DET}}: J25.2 U9.16
/MCU/MotorDRB/HALL_{1}: J24.4 R163.2 U9.11
/MCU/MotorDRB/HALL_{2}: J24.3 R165.2 U9.12
/MCU/MotorDRB/HALL_{3}: J24.2 R166.2 U9.13
/MCU/MotorDRB/I_{SENSE(AMPLIFIED)}: R173.2 R174.1 U9.15 U9.21
/MCU/MotorDRB/I_{SENSE(FILTERED)}: C115.1 R174.2 U9.14
/MCU/MotorDRB/I_{SENSE(RAW)}: Q31.1 Q31.2 Q31.3 Q33.1 Q33.2 Q33.3 Q35.1 Q35.2 Q35.3 R168.1 R187.1 R188.1
/MCU/MotorDRB/MOTOR_{U}: C112.2 J24.10 Q34.1 Q34.2 Q34.3 Q35.5 U9.34
/MCU/MotorDRB/MOTOR_{V}: C113.2 J24.8 Q32.1 Q32.2 Q32.3 Q33.5 U9.30
/MCU/MotorDRB/MOTOR_{W}: C114.2 J24.6 Q30.1 Q30.2 Q30.3 Q31.5 U9.26
/MCU/MotorDRB/SWDCLK: J23.4 JP24.2 U9.38
/MCU/MotorDRB/SWDIO: J23.2 U9.37
/MCU/MotorFL/ENCODER_{A}: J16.3 U6.17
/MCU/MotorFL/ENCODER_{B}: J16.4 U6.18
/MCU/MotorFL/ENCODER_{Z}: J16.5 U6.19
/MCU/MotorFL/ENCODER_{~{DET}}: J16.2 U6.16
/MCU/MotorFL/HALL_{1}: J15.4 R82.2 U6.11
/MCU/MotorFL/HALL_{2}: J15.3 R84.2 U6.12
/MCU/MotorFL/HALL_{3}: J15.2 R85.2 U6.13
/MCU/MotorFL/I_{SENSE(AMPLIFIED)}: R92.2 R93.1 U6.15 U6.21
/MCU/MotorFL/I_{SENSE(FILTERED)}: C79.1 R93.2 U6.14
/MCU/MotorFL/I_{SENSE(RAW)}: Q13.1 Q13.2 Q13.3 Q15.1 Q15.2 Q15.3 Q17.1 Q17.2 Q17.3 R87.1 R106.1 R107.1
/MCU/MotorFL/MOTOR_{U}: C76.2 J15.10 Q16.1 Q16.2 Q16.3 Q17.5 U6.34
/MCU/MotorFL/MOTOR_{V}: C77.2 J15.8 Q14.1 Q14.2 Q14.3 Q15.5 U6.30
/MCU/MotorFL/MOTOR_{W}: C78.2 J15.6 Q12.1 Q12.2 Q12.3 Q13.5 U6.26
/MCU/MotorFL/SWDCLK: J14.4 JP12.2 U6.38
/MCU/MotorFL/SWDIO: J14.2 U6.37
/MCU/MotorFR/ENCODER_{A}: J13.3 U5.17
/MCU/MotorFR/ENCODER_{B}: J13.4 U5.18
/MCU/MotorFR/ENCODER_{Z}: J13.5 U5.19
/MCU/MotorFR/ENCODER_{~{DET}}: J13.2 U5.16
/MCU/MotorFR/HALL_{1}: J12.4 R55.2 U5.11
/MCU/MotorFR/HALL_{2}: J12.3 R57.2 U5.12
/MCU/MotorFR/HALL_{3}: J12.2 R58.2 U5.13
/MCU/MotorFR/I_{SENSE(AMPLIFIED)}: R65.2 R66.1 U5.15 U5.21
/MCU/MotorFR/I_{SENSE(FILTERED)}: C67.1 R66.2 U5.14
/MCU/MotorFR/I_{SENSE(RAW)}: Q7.1 Q7.2 Q7.3 Q9.1 Q9.2 Q9.3 Q11.1 Q11.2 Q11.3 R60.1 R79.1 R80.1
/MCU/MotorFR/MOTOR_{U}: C64.2 J12.10 Q10.1 Q10.2 Q10.3 Q11.5 U5.34
/MCU/MotorFR/MOTOR_{V}: C65.2 J12.8 Q8.1 Q8.2 Q8.3 Q9.5 U5.30
/MCU/MotorFR/MOTOR_{W}: C66.2 J12.6 Q6.1 Q6.2 Q6.3 Q7.5 U5.26
/MCU/MotorFR/SWDCLK: J11.4 JP8.2 U5.38
/MCU/MotorFR/SWDIO: J11.2 U5.37
/MCU/RADIO.BOOT0: J3.7 U4.4
/MCU/RADIO.CTS: J3.4 U4.128
/MCU/RADIO.RTS: J3.3 U4.129
/MCU/RADIO.RX: J3.5 U4.1
/MCU/RADIO.TX: J3.6 U4.2
/MCU/RADIO.~{DET}: J3.2 U4.3
/MCU/RADIO.~{RST}: J3.8 U4.7
/MCU/SDMMC.CK: J10.5 U4.113
/MCU/SDMMC.CMD: J10.3 U4.116
/MCU/SDMMC.D0: J10.7 U4.98
/MCU/SDMMC.D1: J10.8 U4.99
/MCU/SDMMC.D2: J10.1 U4.111
/MCU/SDMMC.D3: J10.2 U4.112
/MCU/SWCLK: J4.4 U4.109
/MCU/SWDIO: J4.2 U4.105
/MCU/USB_OTG.DM: J9.2 U4.103
/MCU/USB_OTG.DP: J9.3 U4.104
/MCU/USB_OTG.ID: J9.4 U4.102
/MCU/~{RST}: J4.10 R53.2 R54.1 U4.25
/PGOOD_{3v3}: Q38.1 R28.2 R45.1 R46.2 U3.27
/PGOOD_{5v0}: Q37.1 R47.1 R48.2 U3.10
/PGOOD_{12v0}: Q36.1 R27.2 R38.1 R39.2 U2.7
/PGOOD_{VBATT}: R36.2 U1.6 U2.8
/PWR_SW_STATE: R3.1 R4.2 U4.15 U4.50
/Regulator 3v3 & 5v0/EN_{3v3}: C4.1 R27.1 U3.2
/Regulator 3v3 & 5v0/EN_{5v0}: C5.1 R28.1 U3.7
/Regulator 3v3 & 5v0/FB_{3v3}: C29.2 R49.2 R50.1 U3.28
/Regulator 3v3 & 5v0/FB_{5v0}: C30.2 R51.2 R52.1 U3.9
/Regulator 3v3 & 5v0/INTV_{CC}: C26.1 U3.1 U3.3 U3.4 U3.5 U3.6 U3.8
/Regulator 3v3 & 5v0/SW_{3v3}: C24.2 L2.1 U3.20 U3.24
/Regulator 3v3 & 5v0/SW_{5v0}: C25.2 L3.1 U3.13 U3.17
/Regulator 12v0/V_{SENSE+}: C9.1 C10.1 C11.1 C12.1 F2.2 R40.1 U2.11
/Regulator 12v0/V_{SENSE-}: Q5.1 Q5.2 Q5.3 R40.2 R42.1 U2.10
/RobotID.BL: D55.1 D55.3 U4.117
/RobotID.BR: D57.1 D57.3 U4.118
/RobotID.FL: D54.1 D54.3 U4.115
/RobotID.FR: D56.1 D56.3 U4.114
/V_{Switch}: D1.2 JP1.1 R3.2 R191.1 SW1.5
/~{BTN0}: R5.2 U4.119
/~{BTN1}: R6.2 U4.122
Net-(BZ1-Pad2): BZ1.2 D3.2 Q1.3 R21.1
Net-(C1-Pad1): C1.1 R1.1 SW2.1
Net-(C2-Pad1): C2.1 R2.1 SW3.1
Net-(C3-Pad1): C3.1 R8.1 R23.1
Net-(C4-Pad2): C4.2 JP2.2
Net-(C5-Pad2): C5.2 JP3.2
Net-(C8-Pad1): C8.1 R37.2
Net-(C12-Pad2): C12.2 U2.9
Net-(C13-Pad1): C13.1 R41.2 U2.6
Net-(C14-Pad1): C14.1 R41.1
Net-(C15-Pad1): C15.1 C16.1 C17.1 C18.1 JP4.1 L1.2 R43.1
Net-(C21-Pad1): C21.1 U3.26
Net-(C22-Pad1): C22.1 U3.11
Net-(C24-Pad1): C24.1 U3.23
Net-(C25-Pad1): C25.1 U3.14
Net-(C27-Pad1): C27.1 C29.1 JP5.1 L2.2 R49.1
Net-(C28-Pad1): C28.1 C30.1 JP6.1 L3.2 R51.1
Net-(C31-Pad1): C31.1 SW6.1
Net-(C32-Pad1): C32.1 C33.1 U4.71 U4.106
Net-(C34-Pad1): C34.1 U4.24 Y1.1
Net-(C35-Pad1): C35.1 U4.23 Y1.2
Net-(C36-Pad1): C36.1 U4.8 Y2.1
Net-(C37-Pad1): C37.1 U4.9 Y2.2
Net-(C63-Pad1): C63.1 U5.6
Net-(C64-Pad1): C64.1 U5.35
Net-(C65-Pad1): C65.1 U5.31
Net-(C66-Pad1): C66.1 U5.27
Net-(C68-Pad1): C68.1 R80.2 R81.2 U5.24
Net-(C75-Pad1): C75.1 U6.6
Net-(C76-Pad1): C76.1 U6.35
Net-(C77-Pad1): C77.1 U6.31
Net-(C78-Pad1): C78.1 U6.27
Net-(C80-Pad1): C80.1 R107.2 R108.2 U6.24
Net-(C87-Pad1): C87.1 U7.6
Net-(C88-Pad1): C88.1 U7.35
Net-(C89-Pad1): C89.1 U7.31
Net-(C90-Pad1): C90.1 U7.27
Net-(C92-Pad1): C92.1 R134.2 R135.2 U7.24
Net-(C99-Pad1): C99.1 U8.6
Net-(C100-Pad1): C100.1 U8.35
Net-(C101-Pad1): C101.1 U8.31
Net-(C102-Pad1): C102.1 U8.27
Net-(C104-Pad1): C104.1 R161.2 R162.2 U8.24
Net-(C111-Pad1): C111.1 U9.6
Net-(C112-Pad1): C112.1 U9.35
Net-(C113-Pad1): C113.1 U9.31
Net-(C114-Pad1): C114.1 U9.27
Net-(C116-Pad1): C116.1 R188.2 R189.2 U9.24
Net-(D4-Pad3): D4.3 L1.1 Q5.5
Net-(D5-Pad2): D5.2 R59.2
Net-(D6-Pad2): D6.2 R61.2
Net-(D7-Pad1): D7.1 R68.1 U5.33
Net-(D7-Pad2): D7.2 R67.1
Net-(D8-Pad1): D8.1 R69.1 U5.36
Net-(D8-Pad2): D8.2 R70.1
Net-(D9-Pad1): D9.1 R72.1 U5.29
Net-(D9-Pad2): D9.2 R71.1
Net-(D10-Pad1): D10.1 R73.1 U5.32
Net-(D10-Pad2): D10.2 R74.1
Net-(D11-Pad1): D11.1 R76.1 U5.25
Net-(D11-Pad2): D11.2 R75.1
Net-(D12-Pad1): D12.1 R77.1 U5.28
Net-(D12-Pad2): D12.2 R78.1
Net-(D13-Pad2): D13.2 R86.2
Net-(D14-Pad2): D14.2 R88.2
Net-(D15-Pad1): D15.1 R95.1 U6.33
Net-(D15-Pad2): D15.2 R94.1
Net-(D16-Pad1): D16.1 R96.1 U6.36
Net-(D16-Pad2): D16.2 R97.1
Net-(D17-Pad1): D17.1 R99.1 U6.29
Net-(D17-Pad2): D17.2 R98.1
Net-(D18-Pad1): D18.1 R100.1 U6.32
Net-(D18-Pad2): D18.2 R101.1
Net-(D19-Pad1): D19.1 R103.1 U6.25
Net-(D19-Pad2): D19.2 R102.1
Net-(D20-Pad1): D20.1 R104.1 U6.28
Net-(D20-Pad2): D20.2 R105.1
Net-(D21-Pad2): D21.2 R113.2
Net-(D22-Pad2): D22.2 R115.2
Net-(D23-Pad1): D23.1 R122.1 U7.33
Net-(D23-Pad2): D23.2 R121.1
Net-(D24-Pad1): D24.1 R123.1 U7.36
Net-(D24-Pad2): D24.2 R124.1
Net-(D25-Pad1): D25.1 R126.1 U7.29
Net-(D25-Pad2): D25.2 R125.1
Net-(D26-Pad1): D26.1 R127.1 U7.32
Net-(D26-Pad2): D26.2 R128.1
Net-(D27-Pad1): D27.1 R130.1 U7.25
Net-(D27-Pad2): D27.2 R129.1
Net-(D28-Pad1): D28.1 R131.1 U7.28
Net-(D28-Pad2): D28.2 R132.1
Net-(D29-Pad2): D29.2 R140.2
Net-(D30-Pad2): D30.2 R142.2
Net-(D31-Pad1): D31.1 R149.1 U8.33
Net-(D31-Pad2): D31.2 R148.1
Net-(D32-Pad1): D32.1 R150.1 U8.36
Net-(D32-Pad2): D32.2 R151.1
Net-(D33-Pad1): D33.1 R153.1 U8.29
Net-(D33-Pad2): D33.2 R152.1
